# Altium PCB MCH_MAIN.PCBDOC (part 13 of 14) (continued)
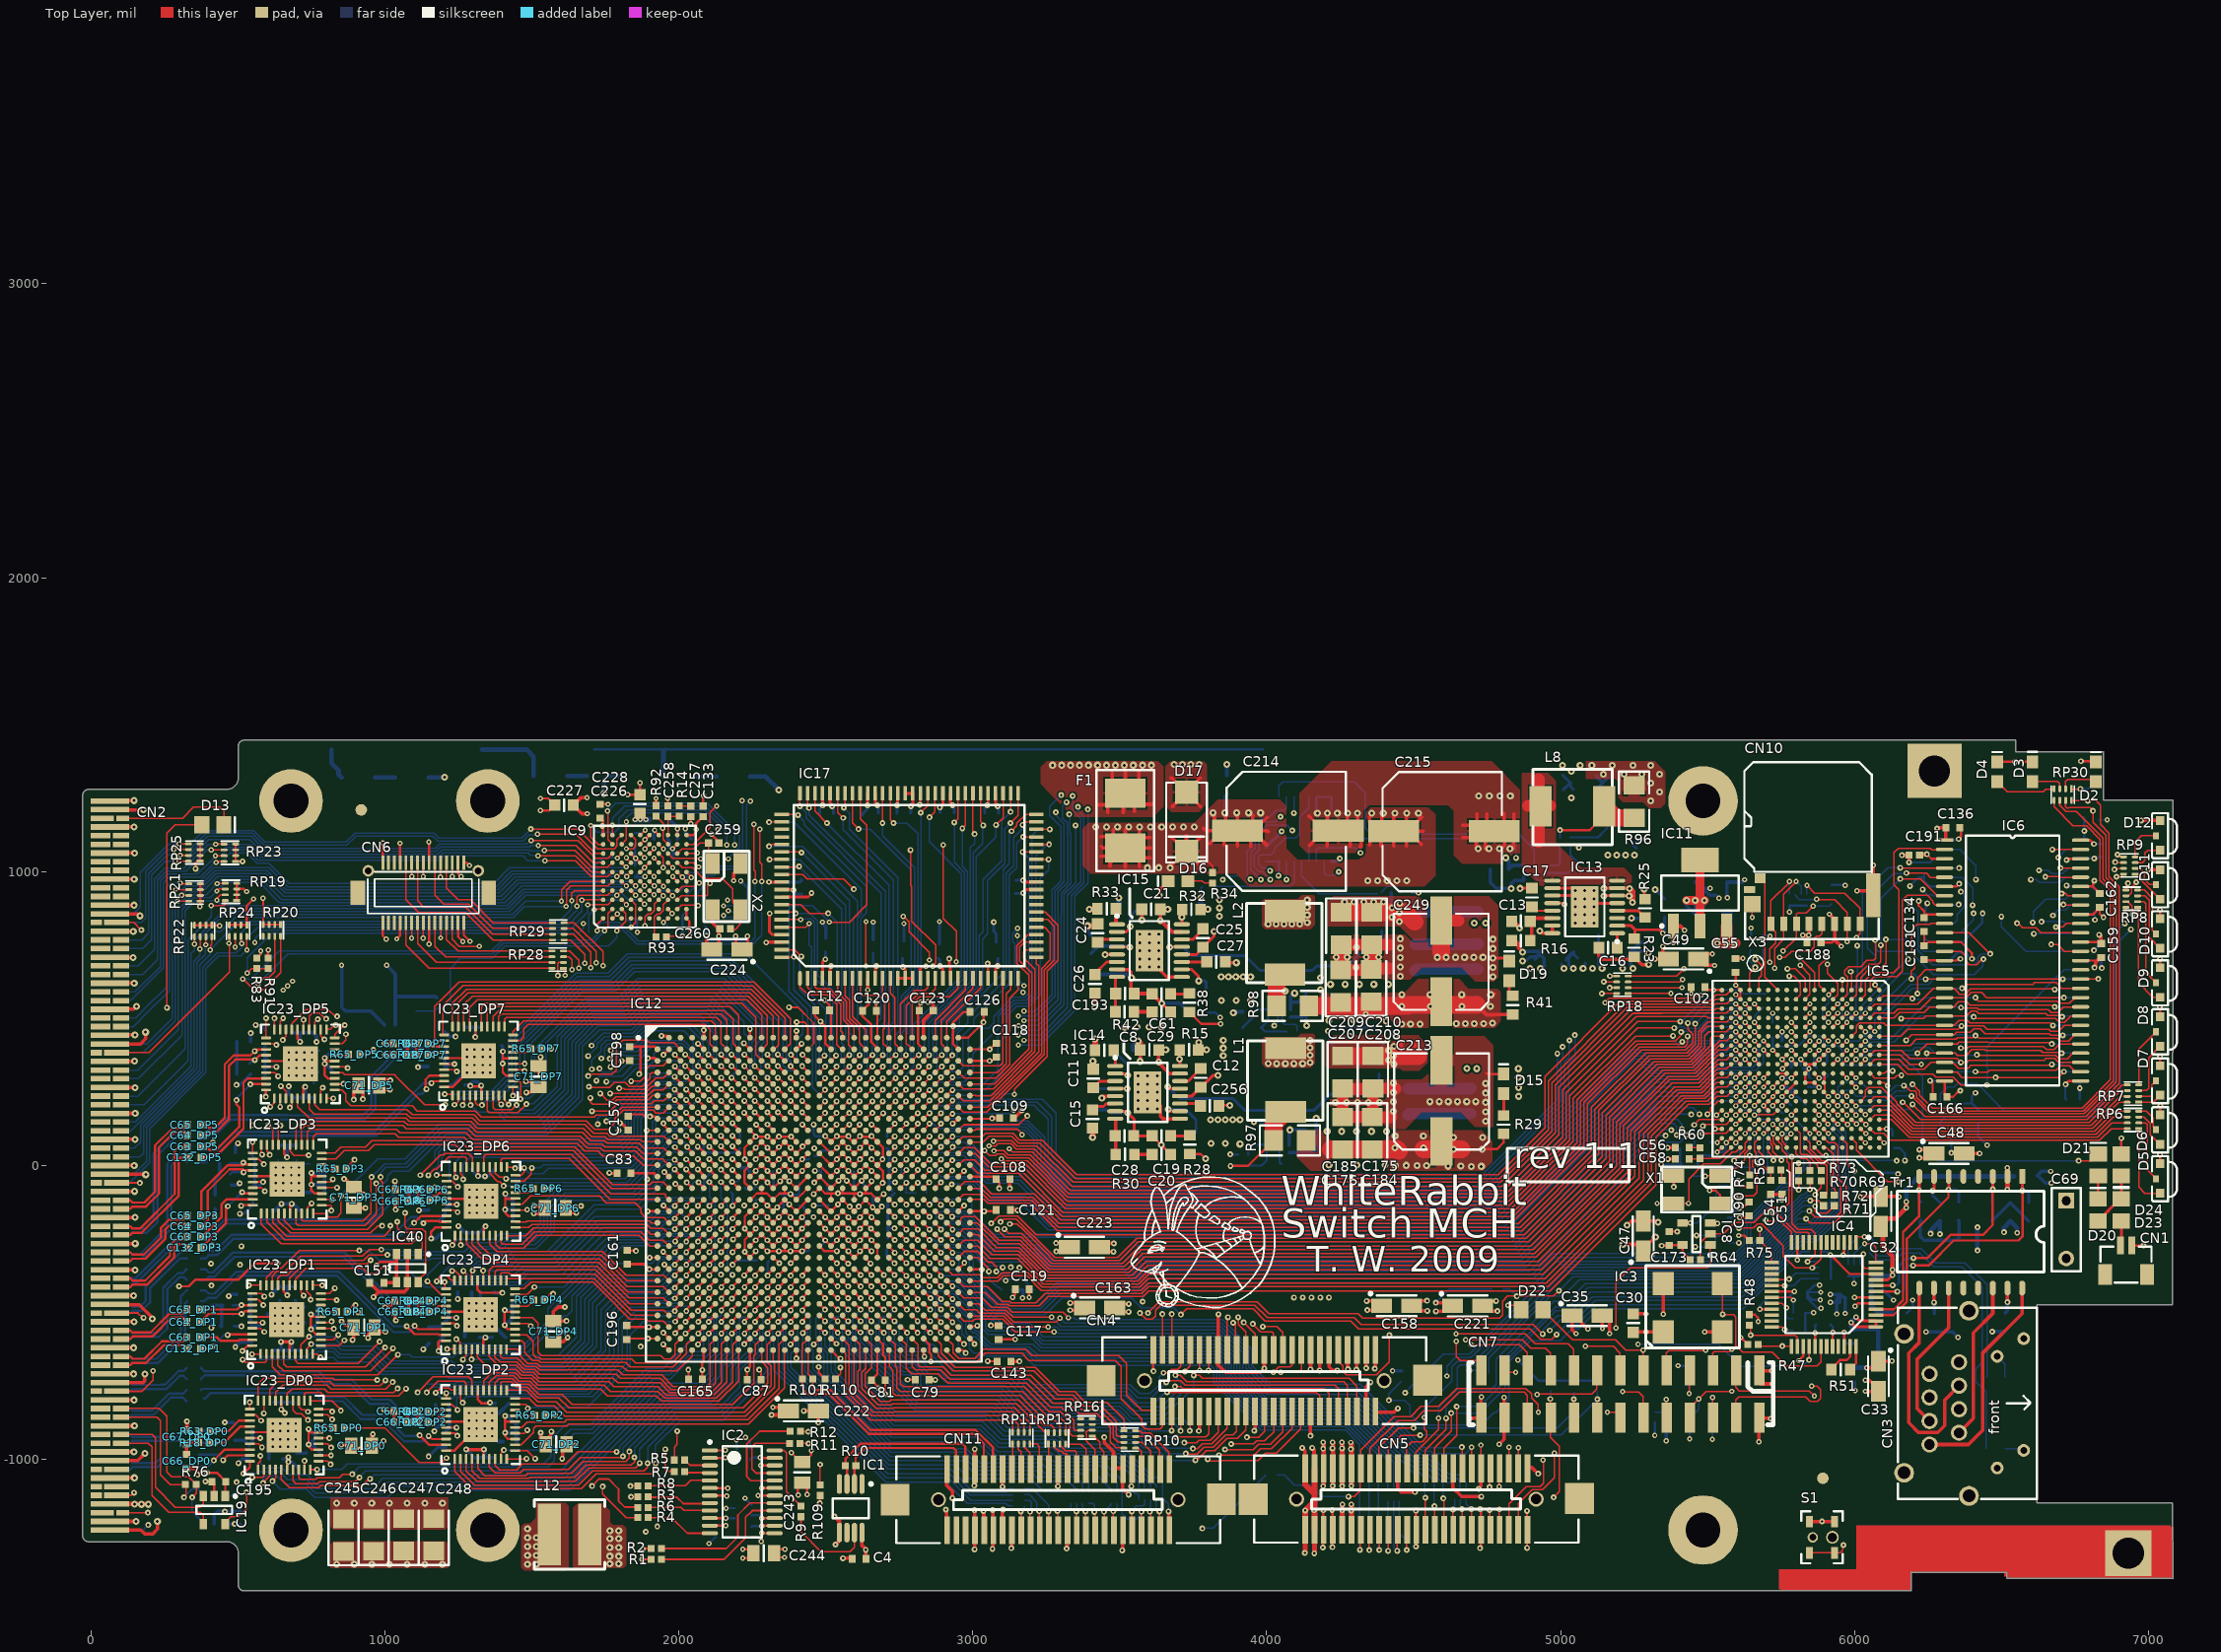
[diagram p0: Top Layer view]
## Nets (pads, with @x,y where several pads share a name; then routed paths per layer and width w, separated by ;. In a path a pad name is that pad's centre, name@x,y a point inside that pad or via, vN(x,y) a via of type N, cw(c..) or ccw(c..) an arc to the next point about the centre after c; other vN are vias at no path point) (continued)
  Bottom Layer w8: v1(495.6,222.3) 495.6,228.5 v1(542.97,275.87)
TXI_DP5_P: C132_DP5.1 IC23_DP5.38 | length 423.3
  Top Layer w8: C132_DP5.1@375.62,26.9 391.61,26.9 403.61,38.9 428.2,38.9 432.27,38.9 519.4,126.03 519.4,127.1 ; 519.4,127.5 519.4,282.3 533.46,296.36 IC23_DP5.38@596.14,296.36
TXI_DP6_N: C63_DP6.1 IC23_DP6.39 | length 901
  Top Layer w8: v1(1131.4,-196.3) 1139.08,-188.62 1184.08,-188.62 1187.16,-191.7 1209.69,-191.7 IC23_DP6.39@1209.86,-191.53
  Bottom Layer w8: C63_DP6.1@374.62,-280.1 390.61,-280.1 401.61,-291.1 422.6,-291.1 470.7,-243 478.2,-235.5 1028.2,-235.5 1088.4,-175.3 1110.4,-175.3 v1(1131.4,-196.3)
TXI_DP6_P: C132_DP6.1 IC23_DP6.38 | length 895
  Top Layer w8: v1(1100,-195.3) 1123.46,-171.84 1175.52,-171.84 IC23_DP6.38@1209.86,-171.84
  Bottom Layer w8: C132_DP6.1@374.62,-316.1 390.61,-316.1 401.61,-305.1 428.4,-305.1 484,-249.5 1041.4,-249.5 1095.6,-195.3 v1(1100,-195.3)
TXI_DP7_N: C63_DP7.1 IC23_DP7.39 | length 922.3
  Top Layer w8: v1(1158.8,280.3) 1164.91,286.41 IC23_DP7.39@1201.74,286.41
  Bottom Layer w8: C63_DP7.1@376.62,51.9 378.52,53.8 429.3,53.8 490.6,115.1 965.4,115.1 1130.6,280.3 v1(1158.8,280.3)
TXI_DP7_P: C132_DP7.1 IC23_DP7.38 | length 972.1
  Top Layer w8: v1(1141.8,260.3) 1138.8,263.3 1138.8,292.5 1152.4,306.1 IC23_DP7.38@1201.74,306.1
  Bottom Layer w8: C132_DP7.1@375.62,10.9 391.61,10.9 420.51,39.8 435.1,39.8 496.4,101.1 971.2,101.1 1113.5,243.4 1126,243.4 1141.8,259.2 v1(1141.8,260.3)
UP0_RD0: CN4.26 IC12.AB19 | length 1784.5
  Top Layer w5: v1(3932.4,-924.7) 3972.2,-924.7 3992.2,-904.7 3992.2,-901.16 ; CN4.26@3992,-836.43 3992.2,-836.63 3992.2,-901.16 ; 3992.2,-896.17 3992.2,-901.16
  Top Layer w8: IC12.AB19@2636.21,-391.97 2636.21,-392.13 v1@2653.84,-409.77
  MidLayer1 w5: v1(2654.83,-411.67) 2672.6,-429.44 2672.6,-647.85 2830.65,-805.9 3781.48,-805.9 3900.28,-924.7 v1(3932.4,-924.7)
UP0_RD1: CN4.28 IC12.AC19 | length 1829.5
  Top Layer w5: v1(3879.2,-947.7) 3879.6,-947.3 3955.2,-947.3 3965.8,-936.7 3993.2,-936.7 4024.2,-905.7 CN4.28@4024.2,-840.39
  Top Layer w8: IC12.AC19@2636.21,-431.34 v1@2655.37,-450.5
  MidLayer1 w5: v1(2654.83,-451.04) 2636.8,-469.07 2636.8,-627.2 2828.9,-819.3 3777.91,-819.3 3843.36,-884.74 3843.36,-911.86 v1(3879.2,-947.7)
UP0_RD2: CN4.30 IC12.AC18 | length 1923.1
  Top Layer w5: v1(3858,-965.9) 3859.3,-967.2 3953.3,-967.2 3971.8,-948.7 4012.4,-948.7 4055.2,-905.9 4055.2,-901.1 ; 4055.2,-896.17 4055.2,-901.1 ; CN4.30@4055.2,-839.9 4055.2,-901.1
  Top Layer w8: IC12.AC18@2596.84,-431.34 v1@2616.6,-451.11
  MidLayer1 w5: v1(2619.39,-451.04) 2601.63,-468.81 2601.63,-589.03 2611,-598.4 2611,-622.7 2822.2,-833.9 3775.54,-833.9 3829.57,-887.93 3829.57,-937.47 v1(3858,-965.9)
UP0_RD3: CN4.32 IC12.AC17 | length 1980
  Top Layer w5: v1(3837.6,-985.3) 3837.7,-985.4 3957.3,-985.4 3978.6,-964.1 4016.8,-964.1 4086.23,-894.67 CN4.32@4086.23,-839.43
  Top Layer w8: IC12.AC17@2557.47,-431.34 v1@2575.26,-449.14
  MidLayer1 w5: v1(2576.09,-451.04) 2592.59,-467.54 2592.59,-623.63 2819.46,-850.5 3775.17,-850.5 3813.29,-888.61 3813.29,-960.79 v1@3835.4,-982.9
UP0_RD4: CN4.34 IC12.AB16 | length 2119.8
  Top Layer w5: IC12.AB16@2518.1,-391.97 2537.86,-411.73 v1@2539.67,-411.73 ; v1(3799.6,-998.9) 3805.5,-1004.8 3845.68,-1004.8 3846.69,-1003.79 3970.91,-1003.79 3996,-978.7 4032.4,-978.7 4114.4,-896.7 4114.4,-842.76 CN4.34@4117.72,-839.43
  MidLayer1 w5: v1@2540.67,-411.67 2559.59,-430.59 2559.59,-610.14 2795.05,-845.6 2814.35,-864.9 3032.6,-864.9 3772.6,-864.9 3799.7,-892 3799.7,-998 v1@3799.8,-998.1
  other v1: 2540.65,-411.67
UP0_RD5: CN4.38 IC12.AE21 | length 1703.8
  Top Layer w5: v1@3660.8,-765.9 3667.9,-773 3669.2,-771.7 4169.2,-771.7 4180.72,-783.22 CN4.38@4180.72,-839.43
  Top Layer w8: IC12.AE21@2714.95,-510.08 2714.95,-512.21 v1@2732.58,-529.85
  Bottom Layer w5: v1(2733.57,-529.78) 2750.14,-546.36 2750.14,-602.44 2780.7,-633 2849.1,-633 2927.4,-711.3 3136.4,-711.3 3194.6,-769.5 3522.4,-769.5 3560.4,-807.5 3619.2,-807.5 v1@3660.8,-765.9
  other v1: 3660.8,-770.9
UP0_RD6: CN4.40 IC12.AF21 | length 1745.5
  Top Layer w5: v1(3687.8,-752.1) 3707.8,-752.1 3715.4,-759.7 4196,-759.7 4212.21,-775.91 CN4.40@4212.21,-839.43
  Top Layer w8: IC12.AF21@2714.95,-549.45 2714.95,-551.58 v1@2732.58,-569.22
  Bottom Layer w5: v1(2732.94,-567.67) 2732.94,-599.84 2778,-644.9 2805.07,-644.9 2851.07,-690.9 2878.6,-690.9 2911,-723.3 3129.8,-723.3 3189.2,-782.7 3517.4,-782.7 3555.4,-820.7 3642.6,-820.7 3687.8,-775.5 v1(3687.8,-752.1)
UP0_RD7: CN4.42 IC12.AF22 | length 1734.7
  Top Layer w5: v1(3658.8,-737.5) 3663.7,-732.6 3707.93,-732.6 3723.03,-747.7 4232.6,-747.7 4243.71,-758.81 CN4.42@4243.71,-839.43
  Top Layer w8: IC12.AF22@2754.32,-549.45 2758.1,-549.45 v1@2777.86,-569.22
  Bottom Layer w5: v1(2776.87,-569.15) 2776.87,-580.04 ; 2777.86,-581.03 2776.87,-580.04 ; v1(3658.8,-737.5) 3660.4,-737.5 3607.4,-790.5 3562,-790.5 3528,-756.5 3199.6,-756.5 3142.4,-699.3 2937.4,-699.3 2860.2,-622.1 2788.2,-622.1 2776.87,-610.77 2776.87,-580.04
UP0_RD8: CN4.44 IC12.AE20 | length 1985.5
  Top Layer w5: v1(3689.6,-713.1) 3705.4,-713.1 3728,-735.7 4262.4,-735.7 4275.2,-748.5 CN4.44@4275.2,-839.43
  Top Layer w8: IC12.AE20@2675.58,-510.08 2677.39,-510.08 v1@2695.18,-527.88
  Bottom Layer w5: v1(2698.13,-529.78) 2714.87,-546.51 2714.87,-580.5 ; 2714.87,-584.96 2714.87,-580.5 ; 3546.76,-831.34 3550.11,-834.7 3649.6,-834.7 3707.3,-777 3707.3,-736.8 3688.6,-718.1 3689.4,-717.3 3689.4,-713.3 v1(3689.6,-713.1) ; 3546.91,-831.19 3510.43,-794.7 3179.6,-794.7 3120.2,-735.3 2905.6,-735.3 2879.6,-709.3 2851.6,-709.3 2800.8,-658.5 2773.4,-658.5 2714.87,-599.97 2714.87,-580.5
UP0_RD9: CN4.46 IC12.AF20 | length 1971.9
  Top Layer w5: v1@3750.6,-714.9 3751.6,-713.9 3771.22,-713.9 3781.02,-723.7 4280.6,-723.7 4306.7,-749.8 CN4.46@4306.7,-839.43
  Top Layer w8: IC12.AF20@2675.58,-549.45 2695.34,-569.22 v1@2697.15,-569.22
  Bottom Layer w5: v1(2698.13,-569.15) 2698.13,-603.23 2769.6,-674.7 2801.71,-674.7 2838.4,-711.39 2838.4,-740.1 2846.9,-748.6 3108.9,-748.6 3167,-806.7 3505.46,-806.7 3533,-834.24 3533,-834.56 3546.94,-848.5 3657.8,-848.5 3751,-755.3 v1@3751,-718.3
  other v1: 3751.4,-714.1
UP0_TD0: CN11.15 RP11.1 | length 120.5
  Top Layer w5: CN11.15@3132.26,-993.57 3132.26,-1029.77 3135.47,-1026.56 RP11.1@3135.47,-946.78
UP0_TD1: CN11.17 RP11.2 | length 122.7
  Top Layer w5: RP11.2@3155.16,-946.78 3155.16,-965.46 3163.76,-974.06 3163.76,-1029.77 CN11.17@3163.76,-993.57
UP0_TD2: CN11.19 RP11.3 | length 127.6
  Top Layer w5: RP11.3@3174.84,-946.78 3174.84,-957.14 3195.25,-977.55 3195.25,-1029.77 CN11.19@3195.25,-993.57
UP0_TD3: CN11.21 RP11.4 | length 109.7
  Top Layer w5: RP11.4@3194.53,-946.78 3217.28,-946.78 3226.75,-956.25 CN11.21@3226.75,-1029.77
UP0_TD4: CN11.23 RP13.1 | length 82.3
  Top Layer w5: RP13.1@3257.47,-947.78 3257.47,-1029 CN11.23@3258.24,-1029.77
UP0_TD5: CN11.27 RP13.2 | length 110.5
  Top Layer w5: RP13.2@3277.16,-947.78 3277.16,-956.26 3293.2,-972.3 3302.44,-972.3 3310.84,-980.7 3319.13,-980.7 3321.24,-982.81 CN11.27@3321.24,-1029.77
UP0_TD6: CN11.29 RP13.3 | length 124.4
  Top Layer w5: RP13.3@3296.84,-947.78 3296.84,-952.56 3314.99,-970.7 3335.2,-970.7 3337.8,-970.7 3347.8,-970.7 3352.73,-975.63 CN11.29@3352.73,-1029.77
UP0_TD7: CN11.31 RP13.4 | length 141.3
  Top Layer w5: RP13.4@3316.53,-947.78 3367.68,-947.78 3385.8,-965.9 3385.8,-1028.2 CN11.31@3384.23,-1029.77
UP0_TD8: CN11.33 RP16.2 | length 158
  Top Layer w5: RP16.2@3406.68,-900.94 3391.96,-900.94 3386.4,-906.5 3386.4,-915.26 3386.63,-915.48 3386.63,-938.53 3415.72,-967.62 CN11.33@3415.72,-1029.77
UP0_TD9: CN11.35 RP16.1 | length 128.8
  Top Layer w5: RP16.1@3406.68,-920.63 3411.53,-920.63 3432.39,-941.49 3432.39,-959.61 3445.9,-973.11 3445.9,-1028.45 CN11.35@3447.22,-1029.77
UP1_RD0: CN4.2 IC12.AG26 | length 910.2
  Top Layer w5: IC12.AG26@2911.8,-588.82 2932.8,-609.82 2932.8,-636.9 2952.4,-656.5 3006.8,-656.5 3037.8,-625.5 3179.8,-625.5 3201,-646.7 3496.74,-646.7 3522.6,-672.56 3522.6,-779.9 3575,-832.3 3606.66,-832.3 CN4.2@3613.79,-839.43
UP1_RD1: CN4.4 IC12.AH26 | length 1001.9
  Top Layer w5: IC12.AH26@2911.8,-628.19 2911.8,-633.5 2947.8,-669.5 3011.8,-669.5 3042.4,-638.9 3167,-638.9 3191.8,-663.7 3485.2,-663.7 3505.2,-683.7 3505.2,-793.5 3574.6,-862.9 3574.6,-884.04 3586.84,-896.28 3637.3,-896.28 3645.28,-888.3 CN4.4@3645.28,-839.43
UP1_RD2: CN4.6 IC12.AF19 | length 1320
  Top Layer w5: v1(3676.6,-901.7) 3676.78,-901.52 CN4.6@3676.78,-839.43
  Top Layer w8: IC12.AF19@2636.21,-549.45 2636.21,-551.58 v1@2653.25,-568.62
  Bottom Layer w5: v1(2654.2,-567.67) 2654.2,-604.9 2693.7,-644.4 2760.6,-711.3 2787.4,-711.3 2797.8,-721.7 2797.8,-757.9 2824.5,-784.6 3088.3,-784.6 3146.4,-842.7 3490.55,-842.7 3497,-849.15 3497,-849.47 3532.03,-884.5 3583.4,-884.5 3601.2,-902.3 3628.8,-902.3 ; 3655.8,-902.3 3628.8,-902.3 ; v1(3676.6,-901.7) 3676,-902.3 3628.8,-902.3
UP1_RD3: CN4.8 IC12.AE19 | length 1356.3
  Top Layer w5: v1(3707.4,-902.5) 3708.28,-901.62 CN4.8@3708.28,-839.43
  Top Layer w8: IC12.AE19@2636.21,-510.08 2653.84,-527.72 v1@2653.84,-529.85
  Bottom Layer w5: v1(2654.83,-529.78) 2670.7,-545.66 2670.7,-607.8 2705,-642.1 2764.2,-701.3 2794.37,-701.3 2809.8,-716.73 2809.8,-752.5 2829.9,-772.6 3093.7,-772.6 3151.8,-830.7 3495.52,-830.7 3509,-844.18 3509,-844.5 3537,-872.5 3604.2,-872.5 3610.2,-878.5 3685.6,-878.5 3707.4,-900.3 v1(3707.4,-902.5)
UP1_RD4: CN4.10 IC12.AD21 | length 1445.9
  Top Layer w5: v1(3738.2,-902.1) 3739.77,-900.53 CN4.10@3739.77,-839.43
  Top Layer w8: IC12.AD21@2714.95,-470.71 2714.95,-472.84 v1@2732.58,-490.48
  Bottom Layer w5: v1(2733.57,-490.41) 2710.7,-513.28 2691.3,-513.28 2681.63,-522.95 2681.63,-603.53 2766.4,-688.3 2798.34,-688.3 2822.2,-712.16 2822.2,-745.7 2837.1,-760.6 3102.1,-760.6 3160.2,-818.7 3500.49,-818.7 3521,-839.21 3521,-839.53 3541.97,-860.5 3712.8,-860.5 3738.2,-885.9 v1(3738.2,-902.1)
UP1_RD5: CN4.14 IC12.AD19 | length 1528.1
  Top Layer w5: v1(3691.8,-924.1) 3693.3,-922.6 3793.3,-922.6 3802.76,-913.14 CN4.14@3802.76,-839.43
  Top Layer w8: IC12.AD19@2636.21,-470.71 2636.21,-472.84 v1@2653.84,-490.48
  Bottom Layer w5: v1(2654.83,-490.41) 2637.4,-507.84 2637.4,-600.83 2679.84,-643.26 2683.74,-647.16 2683.74,-660.81 2819.53,-796.6 3080.53,-796.6 3138.63,-854.7 3485.26,-854.7 3527.06,-896.5 3576,-896.5 3602.1,-922.6 v1@3690.3,-922.6
UP1_RD6: CN4.16 IC12.AF18 | length 1507.8
  Top Layer w5: v1(3719.6,-942.7) 3761.69,-942.7 3769.79,-934.6 3808.39,-934.6 3834.26,-908.73 CN4.16@3834.26,-839.43
  Top Layer w8: IC12.AF18@2596.84,-549.45 2614.63,-567.25 v1@2616.44,-567.25
  Bottom Layer w5: v1(2618.13,-567.77) 2618.13,-597.63 2670.7,-650.2 2670.7,-664.74 2814.56,-808.6 3074.3,-808.6 3132.4,-866.7 3480.29,-866.7 3522.09,-908.5 3569.6,-908.5 3596.4,-935.3 3659,-935.3 3665.3,-941.6 3718.5,-941.6 v1(3719.6,-942.7)
UP1_RD7: CN4.18 IC12.AE18 | length 1612.4
  Top Layer w5: v1(3749.2,-962.9) 3764.76,-962.9 3781.06,-946.6 3813.36,-946.6 3865.76,-894.2 CN4.18@3865.76,-839.43
  Top Layer w8: IC12.AE18@2596.84,-510.08 2598.65,-510.08 v1@2618.41,-529.85
  Bottom Layer w5: v1(2619.39,-529.78) 2601.63,-547.55 2601.63,-580.53 2608,-586.9 2608,-605.1 2660.3,-657.4 2660.3,-671.97 2802.43,-814.1 2803.09,-814.1 2809.59,-820.6 3068.1,-820.6 3126.2,-878.7 3475.32,-878.7 3517.12,-920.5 3561.2,-920.5 3588.6,-947.9 3649.6,-947.9 3664.3,-962.6 3690.8,-962.6 v1@3748.9,-962.6
UP1_RD8: CN4.20 IC12.AD18 | length 1725.4
  Top Layer w5: v1(3724.8,-980.1) 3727.1,-982.4 3762.23,-982.4 3786.03,-958.6 3818.33,-958.6 3860.73,-916.2 3885.7,-916.2 3897.25,-904.65 CN4.20@3897.25,-839.43
  Top Layer w8: IC12.AD18@2596.84,-470.71 2600.62,-470.71 v1@2620.38,-490.48
  Bottom Layer w5: v1(2619.39,-490.41) 2592.63,-517.18 2592.63,-586.33 2598.6,-592.3 2598.6,-613.13 2645.69,-660.21 2645.69,-674.33 2722.7,-751.34 2722.7,-751.45 2797.35,-826.1 2798.12,-826.1 2804.62,-832.6 3059.9,-832.6 3118,-890.7 3470.35,-890.7 3512.15,-932.5 3552.2,-932.5 3579.6,-959.9 3644.2,-959.9 3664.4,-980.1 v1(3724.8,-980.1)
UP1_RD9: CN4.22 IC12.AF17 | length 1720.4
  Top Layer w5: v1@3760.8,-1003.9 3794.1,-970.6 3823.3,-970.6 3865.7,-928.2 3900.1,-928.2 3928.75,-899.55 CN4.22@3928.75,-839.43
  Top Layer w8: IC12.AF17@2557.47,-549.45 2557.47,-549.61 v1@2577.07,-569.22
  Bottom Layer w5: v1(2576.09,-569.15) 2576.09,-584.47 2586.36,-594.74 2586.36,-612.46 2586.6,-612.7 2586.6,-613.85 2633.02,-660.28 2633.02,-734.47 2743.15,-844.6 3048.7,-844.6 3106.8,-902.7 3465.38,-902.7 3507.18,-944.5 3547.23,-944.5 3577.83,-975.1 3636.6,-975.1 3665,-1003.5 v1@3753.9,-1003.5
  other v1: 3757.6,-1002.6
UP1_TD0: CN11.18 RP12.4 | length 88.8
  Top Layer w5: CN11.18@3163.76,-1238.43 v1@3163.76,-1177.66
  Bottom Layer w5: v1@3165,-1175.7 v1(3163.4,-1177.3) 3166.77,-1177.3 3175.68,-1168.38 RP12.4@3175.68,-1158.63
UP1_TD1: CN11.20 RP12.3 | length 122.2
  Top Layer w5: v1(3195,-1177.9) 3195.25,-1178.15 CN11.20@3195.25,-1238.43
  Bottom Layer w5: RP12.3@3175.68,-1138.94 3194.44,-1138.94 3199.4,-1143.9 3199.4,-1153.86 3199.16,-1154.1 3199.16,-1173.74 v1(3195,-1177.9)
UP1_TD2: CN11.22 RP12.2 | length 150.1
  Top Layer w5: v1(3226.2,-1175.9) 3226.75,-1176.45 CN11.22@3226.75,-1238.43
  Bottom Layer w5: RP12.2@3175.68,-1119.26 3192.31,-1119.26 3218.84,-1145.79 3218.84,-1168.54 v1(3226.2,-1175.9)
UP1_TD3: CN11.24 RP12.1 | length 189.4
  Top Layer w5: v1(3258.2,-1176.5) 3258.24,-1176.54 CN11.24@3258.24,-1238.43
  Bottom Layer w5: RP12.1@3175.68,-1099.57 3203.67,-1099.57 3258.2,-1154.1 v1(3258.2,-1176.5)
UP1_TD4: CN11.26 RP14.4 | length 130.8
  Top Layer w5: v1(3288.4,-1175.5) 3289.74,-1176.84 CN11.26@3289.74,-1238.43
  Bottom Layer w5: v1(3288.4,-1175.5) 3325.2,-1175.5 3334.47,-1166.23 RP14.4@3334.47,-1148.79
UP1_TD5: CN11.30 RP14.3 | length 86.8
  Top Layer w5: CN11.30@3352.73,-1238.43 3352.73,-1180.77 v1@3353.4,-1180.1
  Bottom Layer w5: v1@3353,-1176.5 3354.16,-1175.34 RP14.3@3354.16,-1148.79
  other v1: 3352.8,-1176.9
UP1_TD6: CN11.32 RP14.2 | length 93.9
  Top Layer w5: v1(3383.6,-1177.1) 3384.23,-1177.73 CN11.32@3384.23,-1238.43
  Bottom Layer w5: RP14.2@3373.84,-1148.79 3373.84,-1167.34 v1(3383.6,-1177.1)
UP1_TD7: CN11.34 RP14.1 | length 110.7
  Top Layer w5: v1(3414,-1178.7) 3414.2,-1178.5 3417,-1178.5 3415.72,-1179.78 CN11.34@3415.72,-1238.43
  Bottom Layer w5: RP14.1@3393.53,-1148.79 3408.48,-1148.79 3414,-1154.3 v1(3414,-1178.7)
UP1_TD8: CN11.36 RP17.2 | length 100.1
  Top Layer w5: v1(3446.6,-1177.5) 3447.22,-1178.12 CN11.36@3447.22,-1238.43
  Bottom Layer w5: v1(3446.6,-1177.5) 3446.9,-1177.5 3470.84,-1153.56 RP17.2@3470.84,-1148.79
UP1_TD9: CN11.38 RP17.1 | length 95
  Top Layer w5: v1(3478.2,-1176.3) 3478.72,-1176.82 CN11.38@3478.72,-1238.43
  Bottom Layer w5: v1(3478.2,-1176.3) 3490.53,-1163.97 RP17.1@3490.53,-1148.79
UP_ENABLE0: CN11.43 RP10.5 | length 90.2
  Top Layer w5: RP10.5@3553.69,-961.63 3561.13,-961.63 3573.2,-973.7 ; 3566.4,-966.9 3573.2,-973.7 ; CN11.43@3573.2,-1029.77 3573.2,-977.47 3573.2,-973.7
UP_ENABLE1: CN11.42 RP15.7 | length 136.6
  Top Layer w5: CN11.42@3541.71,-1238.43 v1@3541.71,-1177.61
  Bottom Layer w5: v1@3538.62,-1177.3 v1(3541.4,-1177.3) 3541.4,-1173.5 3556.2,-1158.7 3579,-1158.7 3585.16,-1152.54 RP15.7@3585.16,-1135.79
UP_LOOPEN0: CN11.47 RP10.7 | length 162.6
  Top Layer w5: RP10.7@3553.69,-922.26 3589.36,-922.26 3636.2,-969.1 CN11.47@3636.2,-1029.77
UP_LOOPEN1: CN11.48 RP15.5 | length 106.3
  Top Layer w5: CN11.48@3636.2,-1238.43 v1@3636.2,-1177.3
  Bottom Layer w5: RP15.5@3624.53,-1135.79 3624.53,-1165.83 v1(3635.2,-1176.5)
UP_PRBSEN0: CN11.49 RP10.8 | length 198.8
  Top Layer w5: RP10.8@3553.69,-902.57 3569.47,-902.57 3577.21,-910.31 3603.01,-910.31 3667.69,-974.99 CN11.49@3667.69,-1029.77
UP_PRBSEN1: CN11.41 RP15.8 | length 125
  Top Layer w5: CN11.41@3539.2,-1032.28 3541.71,-1029.77 3541.71,-1089.39 v1(3539.8,-1091.3)
  Bottom Layer w5: v1(3539.8,-1091.3) 3539.8,-1102.7 3554.83,-1117.73 3561.63,-1117.73 3565.47,-1121.57 RP15.8@3565.47,-1135.79
UP_SFP_SCL0: CN5.38 RP26.6 | length 107
  Top Layer w5: v1(4696,-1168.5) 4696.72,-1169.22 CN5.38@4696.72,-1236.43
  Bottom Layer w5: RP26.6@4678.84,-1136.79 4678.84,-1151.34 v1(4696,-1168.5)
UP_SFP_SCL1: CN5.24 RP27.6 | length 258.7
  Top Layer w5: v1(4476.3,-1308.1) CN5.24@4476.3,-1236.49
  Bottom Layer w5: RP27.6@4450.84,-1149.38 RP27.6@4450.84,-1141.79 4450.84,-1249.44 4476.3,-1274.9 v1(4476.3,-1308.1) v1@4473.66,-1308.1
UP_SFP_SDA0: CN5.36 RP26.7 | length 102.2
  Top Layer w5: v1(4664.6,-1168.9) 4665.22,-1169.52 CN5.36@4665.22,-1236.43
  Bottom Layer w5: RP26.7@4659.16,-1136.79 4659.16,-1163.46 v1(4664.6,-1168.9)
UP_SFP_SDA1: CN5.22 RP27.7 | length 248.9
  Top Layer w5: CN5.22@4444.3,-1236.88 v1(4444.3,-1310.7) v1@4445.25,-1311.65
  Bottom Layer w5: 4431.16,-1297.6 RP27.7@4431.16,-1141.79 ; 4431.66,-1298.06 v1(4444.3,-1310.7)
UP_SFP_TX_DISABLE0: CN5.34 RP26.8 | length 102.1
  Top Layer w5: v1(4633.6,-1170.3) 4633.72,-1170.42 CN5.34@4633.72,-1236.43
  Bottom Layer w5: v1(4633.6,-1170.3) 4639.47,-1164.43 RP26.8@4639.47,-1136.79
UP_SFP_TX_DISABLE1: CN5.20 RP27.8 | length 250.3
  Top Layer w5: v1(4413.3,-1310.9) CN5.20@4413.3,-1236.48
  Bottom Layer w5: v1@4411.47,-1315.8 RP27.8@4411.47,-1141.79 ; v1@4411.97,-1309.57 v1(4413.3,-1310.9)
UP_SYNCEN0: CN11.45 RP10.6 | length 121.4
  Top Layer w5: RP10.6@3553.69,-941.94 3574.84,-941.94 3604.7,-971.8 CN11.45@3604.7,-1029.77
UP_SYNCEN1: CN11.46 RP15.6 | length 107.5
  Top Layer w5: v1(3602.4,-1177.9) 3602.6,-1177.7 3605.6,-1177.7 3604.7,-1178.6 CN11.46@3604.7,-1238.43
  Bottom Layer w5: v1(3602.4,-1177.9) 3604.84,-1175.46 RP15.6@3604.84,-1135.79
UTCA_GA0: CN2.5 IC9.K6 | length 3948.8
  Top Layer w5: IC9.K6@2026.46,998.38 2043.47,981.37 2043,980.9 v2(2043,979.9)
  Top Layer w6: CN2.5@87.61,-1122.07 137.81,-1122.07 v1(147.06,-1112.82)
  MidLayer1 w5: v1(147.06,-1112.82) 212.8,-1112.82 241,-1084.62 241,568.61 344.29,671.9 498,671.9 ; 512,671.9 498,671.9 ; v2(2043,979.9) 2043,980.9 2043.47,981.37 2026.45,998.4 1909.58,998.4 1900.5,989.32 1900.5,976.4 1891.5,967.4 1783.58,967.4 1770.08,980.9 1384.6,980.9 1328.1,1037.4 1273.7,1037.4 1261.1,1024.8 1019,1024.8 1011,1016.8 1011,961.9 721,671.9 498,671.9
UTCA_GA1: CN2.17 IC9.K7 | length 3638.2
  Top Layer w5: IC9.K7@2026.46,1029.88 2050.02,1029.88 ; v2@2064,1015.9 2050.02,1029.88 ; v2(2068,1015.9) 2054.02,1029.88 2050.02,1029.88
  Top Layer w6: CN2.17@87.61,-767.74 175,-767.74 212,-730.74 v2(212,-699.1)
  MidLayer1 w5: v2(212,-699.1) 231,-680.1 231,572.75 341.15,682.9 516,682.9 ; 525,682.9 516,682.9 ; v2(2068,1015.9) 2051,1032.9 1943,1032.9 1925,1014.9 1908,1014.9 1891.5,998.4 1853,998.4 1852,999.4 1388.5,999.4 1336.3,1051.6 1261.6,1051.6 1247.4,1037.4 1011.4,1037.4 996.8,1022.8 996.8,967.7 712,682.9 516,682.9
UTCA_GA2: CN2.26 IC9.K8 | length 3389.4
  Top Layer w5: IC9.K8@2026.46,1061.37 2062.47,1061.37 2063,1061.9 v2(2063,1063.9)
  Top Layer w6: CN2.26@87.61,-501.99 160.25,-501.99 176.36,-518.1 v1(179.8,-518.1)
  MidLayer1 w5: v1(179.8,-518.1) 218.6,-479.3 218.6,574.49 338.01,693.9 512,693.9 ; 530,693.9 512,693.9 ; v2(2063,1063.9) 2013,1063.9 1993,1043.9 1937,1043.9 1922.5,1029.4 1830.37,1029.4 1828.37,1031.4 1801.5,1031.4 1783.5,1013.4 1397.7,1013.4 1344,1067.1 1254.4,1067.1 1238.9,1051.6 1006.3,1051.6 982.9,1028.2 982.9,973.8 703,693.9 512,693.9
UTCA_PWRON#: CN2.170 CN7.12 R82.1 R83.2 R91.2 | length 8359
  Top Layer w5: v2(532,654.9) 547.28,670.18 R83.2@565,670.18 R91.2@603,670.18 ; v2(5211,-769.1) 5212,-770.1 5265,-770.1 5280.18,-785.28 CN7.12@5280.18,-860.1
  MidLayer1 w5: v1(195.29,-1223.05) 205.6,-1212.74 205.6,-1202.1 282.4,-1125.3 282.4,497.24 282.5,497.34 282.5,518.46 282.4,518.56 282.4,566.3 337.5,621.4 ; 341,624.9 337.5,621.4 ; v2(532,654.9) 371,654.9 337.5,621.4 ; v2(1676,822.9) 1679.5,826.4 1794,826.4 1810,842.4 2039.5,842.4 2046,835.9 2121.14,835.9 2135.64,821.4 2333.5,821.4 2399,755.9 3063.29,755.9 3168.57,650.62 3227.85,650.62 3287.61,590.86 3287.61,-126.66 3494.05,-333.1 3825.03,-333.1 4042.03,-550.1 4044.28,-550.1 4257.72,-550.1 4349.86,-642.24 4355.72,-648.1 4843.67,-648.1 4847.17,-644.6 4905.5,-644.6 4909,-648.1 ; 4909.08,-648.18 5030,-769.1 v2(5211,-769.1)
  Bottom Layer w5: CN2.170@64.97,-1240.18 178.16,-1240.18 v1(195.29,-1223.05) ; v2(532,654.9) 532,707.23 615.67,790.9 1436,790.9 1446,790.9 ; 1447,789.9 1446,790.9 ; 1646,790.9 1446,790.9 ; R82.1@1658.28,790.9 1659,790.9 1675,806.9 v2@1675,822.9
  Bottom Layer w6: v1(195.29,-1223.05) v1@196.27,-1224.04
VCCA1: C107.2 IC12.Y8 L3.2 | length 111.2
  Top Layer w8: v1@2185.34,-332.99 2201.17,-317.17 IC12.Y8@2201.17,-315.2
  Bottom Layer w8: v1(2183.37,-337.92) 2198.13,-323.15 L3.2@2264.08,-323.15
VCCA2: C105.2 IC12.J21 L10.2 | length 73.8
  Top Layer w5: IC12.J21@2714.95,119.84 v1@2734.55,139.45 ; v1@2735.54,148.3 v1@2735.54,144.23 ; v1@2735.54,144.23 2734.28,142.98 v1@2735.54,144.23
  Bottom Layer w5: v1@2734.55,139.45 v1(2734.55,142.4)
  Bottom Layer w8: L10.2@2708.13,97.71 2708.13,120.89 C105.2@2716.84,129.6
VCCA3: C115.2 IC12.J8 L6.2 | length 89.1
  Top Layer w8: v1(2182.79,144.4) 2203.14,124.06 IC12.J8@2203.14,119.84
  Bottom Layer w8: v1@2183.37,139.45 2191.25,131.57 C115.2@2197.15,131.57 ; C115.2@2197.42,131.32 2208.13,120.61 L6.2@2208.13,96.71
VCCA4: C116.2 IC12.Y21 L7.2 | length 68.3
  Top Layer w8: IC12.Y21@2714.95,-313.23 2714.95,-313.39 v1@2734.55,-332.99
  Bottom Layer w10: L7.2@2707.13,-287.66 2707.13,-311.57 C116.2@2718.83,-323.28
  other v1: 2733.57,-332.93
WD_CS: IC5.H14 RP18.4 | length 1104.4
  Top Layer w5: RP18.4@5229.68,644.43 5331,644.43 ; 5359.47,644.43 5331,644.43 ; v2(5420,669.9) 5394.53,644.43 5331,644.43
  Top Layer w8: IC5.H14@5863.57,187.39 v2(5879.32,171.64)
  MidLayer1 w5: v2@5418,668.9 5419,669.9 5453,669.9 5460.9,662 5647.86,662 5740.4,569.46 5740.4,484.9 5732.2,476.7 5732.2,454.58 5759.15,427.63 5759.15,395.88 5778.69,376.33 5823.52,376.33 5862.8,337.05 5862.8,188.16 v2(5879.32,171.64)
WD_JTAG_TCK: CN7.17 IC9.F5 RP31.8 | length 4336.5
  Top Layer w5: IC9.F5@1900.48,966.88 1916.46,950.9 v2(1917,950.9) ; v2@4645,-572.1 4879,-572.1 4888,-581.1 4913,-606.1 5026,-606.1 5043.96,-624.06 CN7.17@5043.96,-698.68
  MidLayer1 w5: v2(1917,950.9) 1933.5,934.4 1952.91,934.4 1963.5,923.81 1963.5,911.48 1972.58,902.4 2023.36,902.4 2032.86,911.9 2095.14,911.9 2104.64,902.4 v2@2163.5,902.4 ; v2@2165.5,902.2 v2(2166,902.7) v2@2167.5,904.2 ; v2@2165.5,904.4 2348.93,904.4 2380,873.33 2380,848.62 2422.22,806.4 3083.5,806.4 3189.28,700.62 3248.56,700.62 3338,611.18 3338,-35.96 3582.95,-280.91 3847.81,-280.91 4066.32,-499.42 4278.71,-499.42 4376.71,-597.42 4619.68,-597.42 v2(4644,-573.1)
  Bottom Layer w5: v2@2164,902.9 2192.84,902.9 RP31.8@2193.31,902.43
WD_JTAG_TDI: CN7.21 IC9.B1 RP31.5 | length 4297
  Top Layer w5: IC9.B1@1774.5,840.9 1776,840.9 v2(1791,855.9) ; v2(4695,-610.1) 4860,-610.1 4886.48,-636.58 CN7.21@4886.48,-698.68
  MidLayer1 w5: v2(1791,855.9) 1944,855.9 1962.5,874.4 2038.02,874.4 2056.52,855.9 2135.8,855.9 2140.5,851.2 v2@2151.97,851.2 ; v2@2147.47,855.7 v2@2151.97,851.2 ; v2(4695,-610.1) 4677,-628.1 4364,-628.1 4266,-530.1 4052.53,-530.1 3833.34,-310.91 3568.34,-310.91 3308,-50.57 3308,598.75 3236.14,670.62 3176.86,670.62 3071.07,776.4 2407.64,776.4 2350,834.04 2350,860.9 2336.5,874.4 2211.6,874.4 2187.4,850.2 2152.97,850.2 v2(2152.62,850.55) v2@2151.97,851.2
  Bottom Layer w5: v2(2152.62,850.55) 2159.8,843.37 ; v2@2158,843.37 2159.8,843.37 ; 2160,843.17 2159.8,843.37 ; RP31.5@2193.31,843.37 2159.8,843.37
WD_JTAG_TDO: CN7.25 IC9.G4 RP31.7 | length 3990.6
  Top Layer w5: IC9.G4@1931.98,935.39 1946.35,921.01 v2@1946.35,919.04 ; v2(4645,-598.1) 4645,-650.1 4659,-664.1 4729,-664.1 CN7.25@4729,-698.68
  MidLayer1 w5: v2(1947.72,917.66) 1947.72,906.18 1961.5,892.4 2027.5,892.4 2037,901.9 2091,901.9 2107,885.9 v2@2148.47,885.9 ; v2@2150.47,885.7 v2(2152.62,883.55) 2185.05,883.55 2195.9,894.4 2344.78,894.4 2370,869.18 2370,844.47 2418.07,796.4 3079.36,796.4 3185.14,690.62 3244.42,690.62 3328,607.04 3328,-40.1 3578.81,-290.91 3843.66,-290.91 4062.18,-509.42 4274.57,-509.42 4372.57,-607.42 4635.68,-607.42 v2(4645,-598.1)
  Bottom Layer w5: v2@2149.8,883.9 2192.16,883.9 RP31.7@2193.31,882.74
WD_JTAG_TMS: CN7.19 IC9.E5 RP31.6 | length 4297.3
  Top Layer w5: IC9.E5@1868.98,966.88 v2(1883.97,951.9) ; v2(4677,-593.1) 4869,-593.1 4898,-622.1 4949,-622.1 4958.5,-631.6 ; 4956,-629.1 4958.5,-631.6 ; CN7.19@4965.22,-698.68 4965.22,-638.32 4958.5,-631.6
  MidLayer1 w5: v2(1883.97,951.9) 1899.5,936.37 1899.5,915.48 1911.58,903.4 1929.5,903.4 1949.5,883.4 2032.88,883.4 2033.88,884.4 2042.17,884.4 2059.51,867.05 2168.65,867.05 v2(2169,866.7) 2184.5,866.7 2202.2,884.4 2340.64,884.4 2360,865.04 2360,838.76 2374.86,823.9 2375.14,823.9 2381,818.04 2381,817.76 2412.36,786.4 3075.22,786.4 3181,680.62 3240.28,680.62 3318,602.89 3318,-46.43 3572.48,-300.91 3837.48,-300.91 4056.67,-520.1 4270.14,-520.1 4368.14,-618.1 4651,-618.1 4676,-593.1 v2(4677,-593.1)
  Bottom Layer w5: v2(2169,866.7) v2@2172.64,863.06 ; v2@2170.84,863.06 v2@2172.64,863.06 ; v2@2172.84,862.86 v2@2172.64,863.06 ; RP31.6@2193.31,863.06 v2@2172.64,863.06
WD_MISO: IC5.H18 RP18.3 | length 1217.5
  Top Layer w5: RP18.3@5229.68,624.74 5384,624.74 ; 5395,624.74 5384,624.74 ; v2(5414,632.9) 5405.84,624.74 5384,624.74 ; IC5.H18@5863.57,61.4 5891.95,33.03 v2@5900.72,33.03 ; v2@5901.91,34.21 5902.69,33.42 v2@5902.69,33.81
  MidLayer1 w5: v2(5414,632.9) 5423.1,642 5625.1,642 5694.9,572.2 5694.9,548.18 5694.82,548.1 5694.82,500.74 5696.83,498.73 5700.8,494.7 5700.8,455.9 5719.57,437.13 5719.57,424.53 5737.29,406.81 5737.29,399.99 ; 5737.34,399.99 5737.34,350.35 5742.57,345.12 5762.16,345.12 5762.4,345.36 5779.07,328.7 5800.2,328.7 5838,290.9 5838,159.3 5846.8,150.5 ; 5846.92,150.62 5872.9,124.64 5886.77,124.64 5895.32,116.1 5895.32,62.05 5903.09,54.29 v2@5903.09,36.18
  other v2: 5902.69,34.21
WD_MOSI: IC5.H15 RP18.1 | length 1108.2
  Top Layer w5: RP18.1@5229.68,585.37 5250,585.37 ; 5252.63,585.37 5250,585.37 ; 5266,585.37 5261,585.37 ; v2(5375,585.9) 5374.47,585.37 5261,585.37 ; 5250,585.37 5261,585.37
  Top Layer w8: IC5.H15@5863.57,155.89 v2(5879.32,140.14)
  MidLayer1 w5: v2(5375,585.9) 5376,586.9 5396,606.9 5396,638.23 5409.77,652 5635.6,652 5705.84,581.76 5705.84,505.26 5711.8,499.3 ; 5712,499.1 5712,459.7 5748.2,423.5 5748.2,389.89 5768.84,369.24 5768.84,354.69 5778.41,345.12 5799.79,345.12 5850.4,294.5 5850.4,169.1 5853.8,165.7 5854.8,164.7 ; 5853.8,165.67 v2(5879.32,140.14)
WD_NRST: CN7.23 IC9.D3 R57.1 | length 4256.2
  Top Layer w5: IC9.D3@1837.49,903.89 1838.01,903.89 1853.61,888.29 1853.61,826.51 v2(1838,810.9) ; CN7.23@4807.74,-698.68 4812.16,-703.1 v2(4847,-703.1)
  MidLayer1 w5: v2(1838,810.9) 1865.67,810.9 1878.67,797.9 2007,797.9 2025,815.9 2105,815.9 2119.5,801.4 2319.5,801.4 2387,733.9 3057.01,733.9 3160.29,630.62 3219.57,630.62 3267.61,582.58 3267.61,-134.94 3485.77,-353.1 3816.75,-353.1 4034.78,-571.14 4250.47,-571.14 4347.43,-668.1 4812,-668.1 v2(4847,-703.1)
  Bottom Layer w5: R57.1@1820.28,840.9 1836.41,824.78 1836.41,812.49 v2(1838,810.9)
WD_SCK: IC5.H17 RP18.2 | length 1136.1
  Top Layer w5: 5248,605.06 RP18.2@5229.68,605.06 5408.84,605.06 v2@5412,601.9 ; IC5.H17@5863.57,92.9 5863.57,92.22 v2(5879.07,76.73)
  MidLayer1 w5: v2@5412,601.9 v2@5413,601.9 ; v2(5413,604.9) 5440.1,632 5482.94,632 5610.9,632 5683.73,559.17 5683.73,497.39 5688.85,492.27 5688.85,459.1 ; 5688.8,459.1 5688.8,449.76 5706.34,432.22 5706.34,340.79 5733.51,313.62 5793.36,313.62 5801.96,305.02 5801.96,176.43 5863.33,115.07 5863.33,92.47 v2(5879.07,76.73)
ZBT_A0: IC12.G25 IC17.37 | length 1027.1
  Top Layer w5: IC12.G25@2872.43,198.58 v1@2892.03,218.19 ; v1@2891.76,221.72 2893.02,222.97 v1@2893.02,227.04 ; v2(3141.8,242) 3141.8,259.7 3254,371.9 3254,661 3290.9,697.9 3290.9,817.7 3246.5,862.1 3241.6,862.1 IC17.37@3216.47,862.1
  Bottom Layer w5: v1@2892.03,218.19 2892.03,221.14 2909.75,238.86 3054,238.86 3062.26,238.86 3067.7,244.3 3139.5,244.3 v2(3141.8,242)
  other v1: 2891.9,222.2
ZBT_A1: IC12.G27 IC17.36 | length 901.2
  Top Layer w5: IC12.G27@2951.17,198.58 2951.17,198.42 2968.35,181.24 3047.85,181.24 3244,377.39 3244,665.14 3276.9,698.04 3276.9,813.8 3254.19,836.51 IC17.36@3216.47,836.51
ZBT_A2: IC12.G28 IC17.35 | length 797
  Top Layer w5: IC12.G28@2990.54,198.58 3007.8,198.58 3007.88,198.5 3050.97,198.5 3234,381.53 3234,669.28 3264,699.28 3264,791.1 3244.18,810.92 IC17.35@3216.47,810.92